# Altium PCB 2 Layers.PcbDoc (part 1 of 2) (continued)
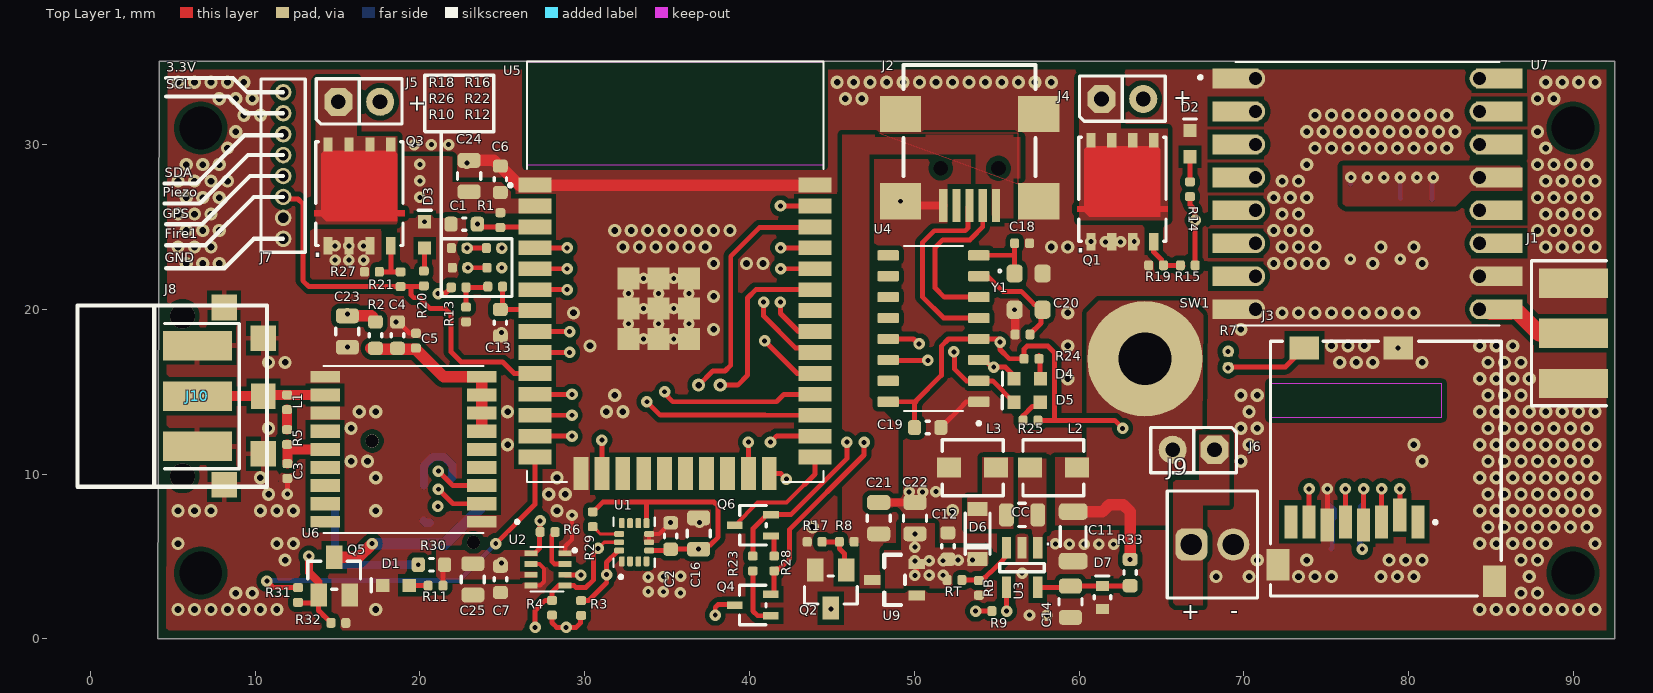
[diagram p0: Top Layer 1 view]
## Part data (continued)
R2: library part RES1130, Manufacturer 1=Panasonic, Manufacturer Part Number 1=ERJ-3EKF2201V, Operating Temperature="-55C to +155C", Package=0603, Power=1/10W, Supplier Part Number 1=P2.20KHCT-ND, Temperature Coefficient=100ppm/C, Tolerance=1%, Voltage=75V, Category=Resistor, ComponentLink1Description="SVN Datasheet", ComponentLink1URL=https://chn-vm-apps.microchip.com/mchprepo/parts/Datasheets/AOA0000CE2.pdf, ComponentLink2Description="Local Datasheet", ComponentLink2URL=C:\ALTIUM_WORK\00001_MCHP-CDB\Datasheets\AOA0000CE2.pdf, ComponentLink3Description="Open Symbol", ComponentLink3URL=C:\ALTIUM_WORK\00001_MCHP-CDB\Library\LibraryRefs\Resistor.SchLib, ComponentLink4Description="Open Footprint", ComponentLink4URL=C:\ALTIUM_WORK\00001_MCHP-CDB\Library\Footprints\RES_C_0603.PcbLib, ComponentLink5Description="Open Footprint 2", ComponentLink6Description="Open Footprint 3", ComponentLink7Description="Open Footprint 4", Composition=TKF, Description_="RES TKF 2.2k 1% 1/10W SMD 0603", Dev Tools Status=Production, MCHP-ID=RES1130, Owner="Bogdan P (M91398)", Populated=Yes, Quantity Override=1, Revision=0, Status="MCL Design", Supplier 1=Digi-Key, Symbol=Resistor, Type="RES SMD"
R3 R4 R11 R14 R20 R24 R25: library part RES1020, Manufacturer 1="Vishay Dale", Manufacturer Part Number 1=CRCW04022K20JNED, Operating Temperature="-55C to +155C", Package=0402, Power=1/16W, Supplier Part Number 1=541-2.2KJCT-ND, Temperature Coefficient=200ppm/C, Tolerance=5%, Voltage=50V, Category=Resistor, ComponentLink1Description="SVN Datasheet", ComponentLink1URL=https://chn-vm-apps.microchip.com/mchprepo/parts/Datasheets/dcrcwe3.pdf, ComponentLink2Description="Local Datasheet", ComponentLink2URL=C:\ALTIUM_WORK\00001_MCHP-CDB\Datasheets\dcrcwe3.pdf, ComponentLink3Description="Open Symbol", ComponentLink3URL=C:\ALTIUM_WORK\00001_MCHP-CDB\Library\LibraryRefs\Resistor.SchLib, ComponentLink4Description="Open Footprint", ComponentLink4URL=C:\ALTIUM_WORK\00001_MCHP-CDB\Library\Footprints\RES_C_0402.PcbLib, ComponentLink5Description="Open Footprint 2", ComponentLink6Description="Open Footprint 3", ComponentLink7Description="Open Footprint 4", Composition=TKF, Description_="RES TKF 2.2k 5% 1/16W SMD 0402", Dev Tools Status=Production, MCHP-ID=RES1020, Owner="Tad Ahlvers", Populated=YES, Quantity Override=1, Revision=1, Status="MCL Design", Supplier 1=Digi-Key, Symbol=Resistor, Type="RES SMD"
R5: library part RES1305, Manufacturer 1=ROHM, Manufacturer Part Number 1=MCR01MRTF10R0, Operating Temperature="-55C to +155C", Package=0402, Power=1/16W, Supplier Part Number 1=RHM10.0CDTR-ND, Temperature Coefficient=100ppm/C, Tolerance=1%, Voltage=50V, Category=Resistor, ComponentLink1Description="SVN Datasheet", ComponentLink1URL=https://chn-vm-apps.microchip.com/mchprepo/parts/Datasheets/mcr_g.pdf, ComponentLink2Description="Local Datasheet", ComponentLink2URL=C:\ALTIUM_WORK\00001_MCHP-CDB\Datasheets\mcr_g.pdf, ComponentLink3Description="Open Symbol", ComponentLink3URL=C:\ALTIUM_WORK\00001_MCHP-CDB\Library\LibraryRefs\Resistor.SchLib, ComponentLink4Description="Open Footprint", ComponentLink4URL=C:\ALTIUM_WORK\00001_MCHP-CDB\Library\Footprints\RES_C_0402.PcbLib, ComponentLink5Description="Open Footprint 2", ComponentLink6Description="Open Footprint 3", ComponentLink7Description="Open Footprint 4", Composition=TKF, Description_="RES TKF 10R 1% 1/16W SMD 0402", Dev Tools Status=Production, MCHP-ID=RES1305, Owner="Tad Ahlvers", Populated=YES, Quantity Override=1, Revision=1, Status="MCL Design", Supplier 1=Digi-Key, Symbol=Resistor, Type="RES SMD"
R8 R15 R21 R31: library part RES1436, Manufacturer 1="Panasonic Electronic Components", Manufacturer Part Number 1=ERJ-2RKF1000X, Operating Temperature="-55°C ~ 155°C", Package=0402, Power=1/10W, Supplier Part Number 1=P100LCT-ND, Temperature Coefficient=±100ppm/°C, Tolerance=1%, Category=Resistor, ComponentLink1Description="SVN Datasheet", ComponentLink1URL="https://chn-vm-apps.microchip.com/mchprepo/parts/Datasheets/AOA0000CE2 (1).pdf", ComponentLink2Description="Local Datasheet", ComponentLink2URL="C:\ALTIUM_WORK\00001_MCHP-CDB\Datasheets\AOA0000CE2 (1).pdf", ComponentLink3Description="Open Symbol", ComponentLink3URL=C:\ALTIUM_WORK\00001_MCHP-CDB\Library\LibraryRefs\Resistor.SchLib, ComponentLink4Description="Open Footprint", ComponentLink4URL=C:\ALTIUM_WORK\00001_MCHP-CDB\Library\Footprints\RES_C_0402.PcbLib, ComponentLink5Description="Open Footprint 2", ComponentLink6Description="Open Footprint 3", ComponentLink7Description="Open Footprint 4", Composition=TKF, Description_="RES TKF 100R 1% 1/10W SMD 0402", Dev Tools Status=Production, MCHP-ID=RES1436, Populated=YES, Quantity Override=1, Revision=1, Status="MCL Design", Supplier 1=Digi-Key, Symbol=Resistor, Type="RES SMD"
R9 R17: library part RSMT1272, Manufacturer 1=Yageo, Manufacturer Part Number 1=RC0402JR-0733KL, Operating Temperature="-55C to +155C", Package=0402, Power=1/16W, Supplier Part Number 1=311-33KJRCT-ND, Temperature Coefficient=±100ppm/°C, Tolerance=5%, Category=Resistor, ComponentLink1Description="SVN Datasheet", ComponentLink1URL=https://chn-vm-apps.microchip.com/mchprepo/parts/Datasheets/PYu-RC_Group_51_RoHS_L_10.pdf, ComponentLink2Description="Local Datasheet", ComponentLink2URL=C:\ALTIUM_WORK\00001_MCHP-CDB\Datasheets\PYu-RC_Group_51_RoHS_L_10.pdf, ComponentLink3Description="Open Symbol", ComponentLink3URL=C:\ALTIUM_WORK\00001_MCHP-CDB\Library\LibraryRefs\Resistor.SchLib, ComponentLink4Description="Open Footprint", ComponentLink4URL=C:\ALTIUM_WORK\00001_MCHP-CDB\Library\Footprints\RES_C_0402.PcbLib, ComponentLink5Description="Open Footprint 2", ComponentLink6Description="Open Footprint 3", ComponentLink7Description="Open Footprint 4", Composition=TKF, Description_="RES TKF 33k 5% 1/16W SMD 0402", Dev Tools Status=Production, MCHP-ID=RSMT1272, Owner="Jose Luis Caceres", Populated=YES, Quantity Override=1, Revision=1, Status="MCL Design", Supplier 1=Digi-Key, Symbol=Resistor, Type="RES SMD"
R12: library part RES1022, Manufacturer 1=Panasonic, Manufacturer 2=Hottech, Manufacturer Part Number 1=ERJ-2RKF1001X, Manufacturer Part Number 2=RI0402L1001FT, Operating Temperature="-55C to +155C", Package=0402, Power=1/10W, Supplier Part Number 1=P1.00KLTR-ND, Temperature Coefficient=100ppm/C, Tolerance=1%, Voltage=50V, Category=Resistor, ComponentLink1Description="SVN Datasheet", ComponentLink1URL=https://chn-vm-apps.microchip.com/mchprepo/parts/Datasheets/AOA0000CE2.pdf, ComponentLink2Description="Local Datasheet", ComponentLink2URL=C:\ALTIUM_WORK\00001_MCHP-CDB\Datasheets\AOA0000CE2.pdf, ComponentLink3Description="Open Symbol", ComponentLink3URL=C:\ALTIUM_WORK\00001_MCHP-CDB\Library\LibraryRefs\Resistor.SchLib, ComponentLink4Description="Open Footprint", ComponentLink4URL=C:\ALTIUM_WORK\00001_MCHP-CDB\Library\Footprints\RES_C_0402.PcbLib, ComponentLink5Description="Open Footprint 2", ComponentLink6Description="Open Footprint 3", ComponentLink7Description="Open Footprint 4", Composition=TKF, Description_="RES TKF 1k 1% 1/10W SMD 0402", Dev Tools Status=Production, MCHP-ID=RES1022, Owner="Tad Ahlvers", Populated=YES, Quantity Override=1, Revision=2, Status="MCL Design", Supplier 1=Digi-Key, Supplier 2=Hottech, Supplier Part Number 2=RI0402L1001FT, Symbol=Resistor, Type="RES SMD"
R13: library part RES1007, Manufacturer 1="Panasonic - ECG", Manufacturer Part Number 1=ERJ-2GEJ332X, Operating Temperature="-55C to +155C", Package=0402, Power=1/10W, Supplier Part Number 1=P3.3KJCT-ND, Temperature Coefficient=200ppm/C, Tolerance=5%, Voltage=50V, Category=Resistor, ComponentLink1Description="SVN Datasheet", ComponentLink1URL=https://chn-vm-apps.microchip.com/mchprepo/parts/Datasheets/AOA0000CE1.pdf, ComponentLink2Description="Local Datasheet", ComponentLink2URL=C:\ALTIUM_WORK\00001_MCHP-CDB\Datasheets\AOA0000CE1.pdf, ComponentLink3Description="Open Symbol", ComponentLink3URL=C:\ALTIUM_WORK\00001_MCHP-CDB\Library\LibraryRefs\Resistor.SchLib, ComponentLink4Description="Open Footprint", ComponentLink4URL=C:\ALTIUM_WORK\00001_MCHP-CDB\Library\Footprints\RES_C_0402.PcbLib, ComponentLink5Description="Open Footprint 2", ComponentLink6Description="Open Footprint 3", ComponentLink7Description="Open Footprint 4", Composition=TKF, Description_="RES TKF 3.3k 5% 1/10W SMD 0402", Dev Tools Status=Production, MCHP-ID=RES1007, Owner="Tad Ahlvers", Populated=YES, Quantity Override=1, Revision=0, Status="MCL Design", Supplier 1=Digi-Key, Symbol=Resistor, Type="RES SMD"
R16 R22: library part RES1011, Manufacturer 1=Panasonic, Manufacturer Part Number 1=ERJ-2RKF1003X, Operating Temperature="-55C to +125C", Package=0402, Power=1/10W, Supplier Part Number 1=P100KLCT-ND, Temperature Coefficient=100ppm/C, Tolerance=1%, Voltage=50V, Category=Resistor, ComponentLink1Description="SVN Datasheet", ComponentLink1URL=https://chn-vm-apps.microchip.com/mchprepo/parts/Datasheets/AOA0000CE2.pdf, ComponentLink2Description="Local Datasheet", ComponentLink2URL=C:\ALTIUM_WORK\00001_MCHP-CDB\Datasheets\AOA0000CE2.pdf, ComponentLink3Description="Open Symbol", ComponentLink3URL=C:\ALTIUM_WORK\00001_MCHP-CDB\Library\LibraryRefs\Resistor.SchLib, ComponentLink4Description="Open Footprint", ComponentLink4URL=C:\ALTIUM_WORK\00001_MCHP-CDB\Library\Footprints\RES_C_0402.PcbLib, ComponentLink5Description="Open Footprint 2", ComponentLink6Description="Open Footprint 3", ComponentLink7Description="Open Footprint 4", Composition=TKF, Description_="RES TKF 100k 1% 1/10W SMD 0402", Dev Tools Status=Production, MCHP-ID=RES1011, Owner="Tad Ahlvers", Populated=YES, Quantity Override=1, Revision=1, Status="MCL Design", Supplier 1=Digi-Key, Symbol=Resistor, Type="RES SMD"
R18 R26: library part RES2100, Manufacturer 1=Vishay, Manufacturer 2="Stackpole Electronics Inc.", Manufacturer Part Number 1=CRCW040262K0FKED, Manufacturer Part Number 2=RMCF0402FT62K0, Operating Temperature="-55C to +155C", Package=0402, Power=1/16W, Supplier Part Number 1=2140916, Temperature Coefficient=100ppm/C, Tolerance=1%, Category=Resistor, ComponentLink1Description="SVN Datasheet", ComponentLink1URL=https://chn-vm-apps.microchip.com/mchprepo/parts/Datasheets/SEI-RMCF_RMCP.pdf, ComponentLink2Description="Local Datasheet", ComponentLink2URL=C:\ALTIUM_WORK\00001_MCHP-CDB\Datasheets\SEI-RMCF_RMCP.pdf, ComponentLink3Description="Open Symbol", ComponentLink3URL=C:\ALTIUM_WORK\00001_MCHP-CDB\Library\LibraryRefs\Resistor.SchLib, ComponentLink4Description="Open Footprint", ComponentLink4URL=C:\ALTIUM_WORK\00001_MCHP-CDB\Library\Footprints\RES_C_0402.PcbLib, ComponentLink5Description="Open Footprint 2", ComponentLink6Description="Open Footprint 3", ComponentLink7Description="Open Footprint 4", Composition=TKF, Description_="RES TF 62k 1% 1/16W SMD 0402 AEC-Q200", Dev Tools Status=Production, MCHP-ID=RES2100, Owner="Cristian Papuc", Populated=YES, Quantity Override=1, Revision=1, Status="MCL Design", Supplier 1=Farnell, Supplier 2=Digi-Key, Supplier Part Number 2=RMCF0402FT62K0CT-ND, Symbol=Resistor, Type="RES SMD"
R19 R27: library part RES2130, Manufacturer 1="Panasonic - ECG", Manufacturer Part Number 1=ERJ-2RKF3301X, Operating Temperature="-55C to +155C", Package=0402, Power=1/10W, Supplier Part Number 1=P3.30KLTR-ND, Temperature Coefficient=100ppm/C, Tolerance=1%, Voltage=50V, Category=Resistor, ComponentLink1Description="SVN Datasheet", ComponentLink1URL=https://chn-vm-apps.microchip.com/mchprepo/parts/Datasheets/AOA0000C304.pdf, ComponentLink2Description="Local Datasheet", ComponentLink2URL=C:\ALTIUM_WORK\00001_MCHP-CDB\Datasheets\AOA0000C304.pdf, ComponentLink3Description="Open Symbol", ComponentLink3URL=C:\ALTIUM_WORK\00001_MCHP-CDB\Library\LibraryRefs\Resistor.SchLib, ComponentLink4Description="Open Footprint", ComponentLink4URL=C:\ALTIUM_WORK\00001_MCHP-CDB\Library\Footprints\RES_C_0402.PcbLib, ComponentLink5Description="Open Footprint 2", ComponentLink6Description="Open Footprint 3", ComponentLink7Description="Open Footprint 4", Composition=TKF, Description_="RES TKF 3.3k 1% 1/10W SMD 0402", Dev Tools Status=Production, MCHP-ID=RES2130, Owner="Mike Ragsdale", Populated=YES, Quantity Override=1, Revision=1, Status="MCL Design", Supplier 1=Digi-Key, Symbol=Resistor, Type="RES SMD"
R30: library part RSMT1021, Current=1A, Manufacturer 1="Stackpole Electronics Inc", Manufacturer Part Number 1=RMCF0603FT10R0, Operating Temperature="-55C to +155C", Package=0603, Power=1/10W, Supplier Part Number 1=RMCF0603FT10R0CT-ND, Temperature Coefficient=100ppm/C, Tolerance=1%, Voltage=50V, Category=Resistor, ComponentLink1Description="SVN Datasheet", ComponentLink1URL=https://chn-vm-apps.microchip.com/mchprepo/parts/Datasheets/SEI-RMCF_RMCP.pdf, ComponentLink2Description="Local Datasheet", ComponentLink2URL=C:\ALTIUM_WORK\00001_MCHP-CDB\Datasheets\SEI-RMCF_RMCP.pdf, ComponentLink3Description="Open Symbol", ComponentLink3URL=C:\ALTIUM_WORK\00001_MCHP-CDB\Library\LibraryRefs\Resistor.SchLib, ComponentLink4Description="Open Footprint", ComponentLink4URL=C:\ALTIUM_WORK\00001_MCHP-CDB\Library\Footprints\RES_C_0603.PcbLib, ComponentLink5Description="Open Footprint 2", ComponentLink6Description="Open Footprint 3", ComponentLink7Description="Open Footprint 4", Composition=TKF, Description_="RES TKF 10R 1% 1/10W SMD 0603", Dev Tools Status=Production, MCHP-ID=RSMT1021, Owner="Aaron VanDuerm", Populated=Yes, Quantity Override=1, Revision=1, Status="MCL Design", Supplier 1=Digi-Key, Symbol=Resistor, Type="RES SMD"
R33: library part RES1268, Manufacturer 1=Panasonic, Manufacturer Part Number 1=ERJ-3EKF2210V, Operating Temperature="-55C to +155C", Package=0603, Power=1/10W, Supplier Part Number 1=P221HCT-ND, Temperature Coefficient=100ppm/C, Tolerance=1%, Voltage=75V, Category=Resistor, ComponentLink1Description="SVN Datasheet", ComponentLink1URL=https://chn-vm-apps.microchip.com/mchprepo/parts/Datasheets/AOA0000CE2.pdf, ComponentLink2Description="Local Datasheet", ComponentLink2URL=C:\ALTIUM_WORK\00001_MCHP-CDB\Datasheets\AOA0000CE2.pdf, ComponentLink3Description="Open Symbol", ComponentLink3URL=C:\ALTIUM_WORK\00001_MCHP-CDB\Library\LibraryRefs\Resistor.SchLib, ComponentLink4Description="Open Footprint", ComponentLink4URL=C:\ALTIUM_WORK\00001_MCHP-CDB\Library\Footprints\RES_C_0603.PcbLib, ComponentLink5Description="Open Footprint 2", ComponentLink6Description="Open Footprint 3", ComponentLink7Description="Open Footprint 4", Composition=TKF, Description_="RES TKF 221R 1% 1/10W SMD 0603", Dev Tools Status=Production, MCHP-ID=RES1268, Owner="Tad Ahlvers", Populated=YES, Quantity Override=1, Revision=0, Status="MCL Design", Supplier 1=Digi-Key, Symbol=Resistor, Type="RES SMD"
RB: library part RES2206, Manufacturer 1="Panasonic Electronic Components", Manufacturer Part Number 1=ERJ-2RKF1301X, Operating Temperature="-55C to +155C", Package=0402, Power=1/10W, Supplier Part Number 1=P1.30KLCT-ND, Tolerance=1%, Voltage=50V, Category=Resistor, ComponentLink1Description="SVN Datasheet", ComponentLink1URL=https://chn-vm-apps.microchip.com/mchprepo/parts/Datasheets/AOA0000C304.pdf, ComponentLink2Description="Local Datasheet", ComponentLink2URL=C:\ALTIUM_WORK\00001_MCHP-CDB\Datasheets\AOA0000C304.pdf, ComponentLink3Description="Open Symbol", ComponentLink3URL=C:\ALTIUM_WORK\00001_MCHP-CDB\Library\LibraryRefs\Resistor.SchLib, ComponentLink4Description="Open Footprint", ComponentLink4URL=C:\ALTIUM_WORK\00001_MCHP-CDB\Library\Footprints\RES_C_0402.PcbLib, ComponentLink5Description="Open Footprint 2", ComponentLink6Description="Open Footprint 3", ComponentLink7Description="Open Footprint 4", Composition=TKF, Description_="RES TKF 1.3k 1% 1/10W SMD 0402", Dev Tools Status=Design, MCHP-ID=RES2206, Owner="Iulian Margarit", Populated=YES, Quantity Override=1, Revision=1, Status="MCL Design", Supplier 1=Digi-Key, Symbol=Resistor, Type="RES SMD"
RT: library part RES1023, Manufacturer 1=Panasonic, Manufacturer Part Number 1=ERJ-2RKF2201X, Operating Temperature="-55C to +155C", Package=0402, Power=1/10W, Supplier Part Number 1=P2.20KLTR-ND, Temperature Coeffcient=100ppm/C, Tolerance=1%, Voltage=50V, Category=Resistor, ComponentLink1Description="SVN Datasheet", ComponentLink1URL=https://chn-vm-apps.microchip.com/mchprepo/parts/Datasheets/AOA0000CE2.pdf, ComponentLink2Description="Local Datasheet", ComponentLink2URL=C:\ALTIUM_WORK\00001_MCHP-CDB\Datasheets\AOA0000CE2.pdf, ComponentLink3Description="Open Symbol", ComponentLink3URL=C:\ALTIUM_WORK\00001_MCHP-CDB\Library\LibraryRefs\Resistor.SchLib, ComponentLink4Description="Open Footprint", ComponentLink4URL=C:\ALTIUM_WORK\00001_MCHP-CDB\Library\Footprints\RES_C_0402.PcbLib, ComponentLink5Description="Open Footprint 2", ComponentLink6Description="Open Footprint 3", ComponentLink7Description="Open Footprint 4", Composition=TKF, Description_="RES TKF 2.2k 1% 1/10W SMD 0402", Dev Tools Status=Production, MCHP-ID=RES1023, Owner="Tad Ahlvers", Populated=YES, Quantity Override=1, Revision=1, Status="MCL Design", Supplier 1=Digi-Key, Symbol=Resistor, Type="RES SMD"
U2: "Pressure Sensor 4.35PSI ~ 15.95PSI _30kPa ~ 110kPa_ Absolute 16b 8-SMD", Package="SMD-8 Bosch Sensortec", Digi-Key_Part_Number=828-1064-1-ND, Digi-Key_Purchase_URL=https://www.digikey.com/product-detail/en/bosch-sensortec/BMP280/828-1064-1-ND/6136315?utm_source=snapeda&utm_medium=aggregator&utm_campaign=symbol, MF=Bosch, MP=BMP280, SnapEDA_Link=https://www.snapeda.com/parts/BMP280/Bosch%20Sensortec/view-part/1186631/?ref=snap
U3: library part MIC6247, Manufacturer 1="Microchip Technology Inc", Manufacturer Part Number 1=MCP1663T-E/OT, Operating Temperature="-40C to +125C", Category=MCHP-Analog, ComponentLink1Description="SVN Datasheet", ComponentLink1URL=https://www.microchip.com/sitesearch/search/Product%20and%20Development%20Tools/MCP1663T-E/OT, ComponentLink2Description="Local Datasheet", ComponentLink3Description="Open Symbol", ComponentLink3URL="C:\ALTIUM_WORK\00001_MCHP-CDB\Library\LibraryRefs\MCP1663 SOT-23-5.SchLib", ComponentLink4Description="Open Footprint", ComponentLink4URL=C:\ALTIUM_WORK\00001_MCHP-CDB\Library\Footprints\SOT-23-5.PcbLib, ComponentLink5Description="Open Footprint 2", ComponentLink6Description="Open Footprint 3", ComponentLink7Description="Open Footprint 4", Description_="MCHP ANALOG SWITCHER Boost 32V MCP1663T-E/OT SOT-23-5", Dev Tools Status=Production, MCHP-ID=MIC6247, Owner="Bogdan Popescu", Populated=YES, Quantity Override=1, Revision=1, Status="MCL Design", Supplier 1="Microchip Technology Inc", Supplier Part Number 1=MCP1663T-E/OT, Symbol="MCP1663 SOT-23-5", Type=Switcher
U4: "USB Interface Integrated Circuit", Package=None, Availability="Not in stock", Check_prices=https://www.snapeda.com/parts/Ch340G/WCH/view-part/?ref=eda, MF=WCH, MP=Ch340G, Price=None, SnapEDA_Link=https://www.snapeda.com/parts/Ch340G/WCH/view-part/?ref=snap
U5: "Bluetooth, WiFi Transceiver Module 2.4GHz ~ 2.5GHz Surface Mount", Package="Module Espressif Systems", Digi-Key_Part_Number=1904-1010-1-ND, Digi-Key_Purchase_URL=https://www.digikey.com/product-detail/en/espressif-systems/ESP32-WROOM-32/1904-1010-1-ND/8544305?utm_source=snapeda&utm_medium=aggregator&utm_campaign=symbol, MF="Espressif Systems", MP=ESP32-WROOM-32, SnapEDA_Link=https://www.snapeda.com/parts/ESP32-WROOM-32/Espressif%20Systems/view-part/2753322/?ref=snap
U6: "u-blox M8 GNSS module, ROM, crystal", Package="SMD-18 u-blox", Availability=Unavailable, MF="U-Blox America", MP=MAX-M8C-0-10, Price=None, SnapEDA_Link=https://www.snapeda.com/parts/MAX-M8C-0-10/U-Blox%20America%20Inc./view-part/4176794/?ref=snap
U7: "802.15.4, General ISM < 1GHz LoRaâ„¢ Transceiver Module 433MHz Surface Mount", Package="SMD-16 RF Solutions", Availability=Unavailable, MF="RF Solutions", MP=RFM98W-433S2, Price=None, SnapEDA_Link=https://www.snapeda.com/parts/RFM98W-433S2/RF%20Solutions/view-part/583263/?ref=snap
U9: library part MIC6213, "LDO", Manufacturer 1=Microchip, Manufacturer Part Number 1=MCP1703AT-3302E/CB, PackageType=SOT-23A, Supplier Part Number 1=MCP1703AT-3302E/CBCT-ND, TempRange="-40C to +125C", Category=MCHP-Analog, ComponentLink1Description="SVN Datasheet", ComponentLink1URL=http://www.microchip.com/wwwproducts/MCP1703A, ComponentLink2Description="Local Datasheet", ComponentLink3Description="Open Symbol", ComponentLink3URL="C:\ALTIUM_WORK\00001_MCHP-CDB\Library\LibraryRefs\MCP170X SOT-23-3_SOT-23A-3.SchLib", ComponentLink4Description="Open Footprint", ComponentLink4URL=C:\ALTIUM_WORK\00001_MCHP-CDB\Library\Footprints\SOT-23A-3.PcbLib, ComponentLink5Description="Open Footprint 2", ComponentLink6Description="Open Footprint 3", ComponentLink7Description="Open Footprint 4", Description_="MCHP ANALOG LDO 3.3V MCP1703AT-5002E/CB SOT-23A-3", Dev Tools Status=Production, ForceMinOrderQtyMult=True, IntroductionDate=2012-03-15, LeadContent=Pb-FREE, LeadCount=3, MAPS Description="LOWIQ 250MA LDO, VIN 16V MAX, VOUT=3.3V", MCHP-ID=MIC6213, MinOrderQty=1, MPC=HBAF1YM7XA33, Owner="Tad Ahlvers", PackingMedia=T/R, Populated=YES, Quantity Override=1, Revision=1, Stage=REL, Status="MCL Design", Supplier 1=Digi-Key, Symbol="MCP170X SOT-23-3_SOT-23A-3", tblDeviceFamilyID=3495, Type=LDO
Y1: "12MHz Â±20ppm Crystal 18pF 120 Ohms 4-SMD, No Lead", Package="SMD-4 Abracon", Availability=Bad, Check_prices=https://www.snapeda.com/parts/ABM8-12.000MHZ-B2-T3/Abracon%20LLC/view-part/1219277/?ref=eda, MF=Abracon, MP=ABM8-12.000MHZ-B2-T3, Price=None, SnapEDA_Link=https://www.snapeda.com/parts/ABM8-12.000MHZ-B2-T3/Abracon%20LLC/view-part/1219277/?ref=snap

## Free pads (board coordinates)
  round 0 hole 2.6 unplated mask+0.2: 0(6.699,4) 0(6.699,31) 0(89.975,4) 0(89.975,31)
  round 0 hole 3.2 unplated: 8(64,17)

## Via types
v1: diameter 0.8, hole 0.4, Top Layer 1 to Bottom Layer 1, tented both sides, 334 vias
v2: diameter 0.7, hole 0.3, Top Layer 1 to Bottom Layer 1, tented both sides, 106 vias
v3: diameter 0.7, hole 0.3, Top Layer 1 to Bottom Layer 1, 23 vias
v4: diameter 1.5, hole 1.5, Top Layer 1 to Bottom Layer 1, tented both sides, 2 vias

## Nets (pads, with @x,y where several pads share a name; then routed paths per layer and width w, separated by ;. In a path a pad name is that pad's centre, name@x,y a point inside that pad or via, vN(x,y) a via of type N, cw(c..) or ccw(c..) an arc to the next point about the centre after c; other vN are vias at no path point)
3.3V: C2.2 C6.2 C7.2 C8.2 C9.1 C10.2 C12.2 C16.2 C19.2 C22.2 C23.2 C24.2 C25.2 C26.2 C27.2 D6.2 J3.4 J7.1 R1.1 R2.1 R3.2 R4.2 R6.2 R7.1 R11.2 R24.2 R25.2 R29.1 R30.2 RT.2 U1.5 U1.8 U2.6 U2.8 U4.4 U4.16 U5.2 U7.13 U7.13_1 U9.2 | length 88.2
  Top Layer 1 w0.3: R11.2@21.4,3.229 21.4,4.401 R30.2@21.5,4.501 ; U2.8@26.75,5.195 26.775,5.22 27,5.22 27.25,5.47 R6.2@27.25,6.489 ; R6.2@27.3,6.489 v2(27.3,7.16) ; R4.2@28.018,1.439 28.018,0.978 28.296,0.7 v2(28.877,0.7) 29.486,0.7 29.757,0.971 29.757,1.396 R3.2@29.782,1.421 ; R29.1@30.487,7.71 30.512,7.71 30.637,7.835 30.637,7.84 31.097,8.301 33.75,8.301 ; U1.8@33.75,7.025 33.75,8.301 ; U1.5@33.91,5.365 35.141,5.365 C2.2@35.219,5.444 v2(36.915,5.444) 37.169,5.698 37.626,5.698 38.1,6.172 38.1,8.048 37.847,8.301 33.75,8.301 ; U4.16@48.419,14.391 50.042,14.391 ; C19.2@50.016,12.827 50.016,14.289 50.118,14.391 50.042,14.391 ; v2@50.147,3.714 U9.2@50.147,4.534 ; R24.2@56.664,17 55.766,17 55.205,17.562 55.205,18.207 55.198,18.201 U4.4@53.919,18.201 52.08,18.201 51.642,17.762 51.642,15.99 50.042,14.391 ; R24.2@56.664,17.187 56.664,17.587 56.853,17.776 58.105,17.776 58.499,17.383 58.499,13.346 58.411,13.259 ; R25.2@57.506,13.259 58.411,13.259 ; v2(62.647,12.778) 62.166,13.259 58.411,13.259 ; J3.4@77.265,6.906 v2(77.265,9.102)
  Top Layer 1 w0.7: C23.2@15.595,19.603 17.047,19.603 R2.1@17.3,19.35
  Signal 1 w0.3: v2(53.543,4.783) 53.62,4.859 53.62,5.239 55.83,7.449 60.443,7.449 62.603,9.609 v2@62.603,12.766
  Signal 2 w0.3: v2(69.053,17.451) 69.055,17.453 70.518,17.453 71.968,18.902 ; 71.968,18.9 83.477,18.9
  Bottom Layer 1 w0.3: C9.1@76.465,27.592 76.465,27.974 v2(76.5,28.009) ; v2(77.188,5.453) 77.038,5.603 77.038,7.227 77.065,7.254 C8.2@77.065,7.302 77.065,8.002 77.265,8.202 v2(77.265,9.102) ; v3@79.494,27.767 79.494,26.731 C27.2@79.513,26.713 ; C10.2@81.418,26.663 v3@81.418,27.767
  other v2: 50.042,3.854 50.897,3.864 51.756,3.864 24.95,4.613 50.043,4.732 50.898,4.742 51.757,4.742 52.664,4.784 50.043,5.575 50.043,6.375 55.205,18.01 15.595,19.726 20,26.793 20,27.8 20,28.8
  other v3: 77.5,28 78.5,28 79.494,28 80.5,28 81.5,28
ADC_VBAT: C13.2 R12.2 U5.7 | length 3.6
  Top Layer 1 w0.3: R12.2@25.018,21.378 25.018,20.125 C13.2@24.88,19.987 26.922,19.987 U5.7@26.987,19.923
BZ: J7.4 R31.2 U5.14 | length 51
  Top Layer 1 w0.3: v3(10.717,3.512) 11.116,3.113 R31.2@12.6,3.113 ; v3@24.495,5.676 v3(24.6,5.782) 26.987,8.169 U5.14@26.987,11.033
  Signal 2 w0.3: v3(10.717,3.512) 9.139,5.091 9.139,27.152 11.213,29.226 11.566,29.226 J7.4@11.7,29.36
  Bottom Layer 1 w0.3: v3(10.717,3.512) 10.738,3.533 22.351,3.533 v3(24.6,5.782)
D+: J2.3 U4.5 | length 11.8
  Top Layer 1 w0.3: J2.3@53.356,26.308 53.272,26.224 53.272,24.945 53.096,24.769 51.216,24.769 50.492,24.045 50.492,20.758 51.779,19.471 U4.5@53.919,19.471
D-: J2.2 U4.6 | length 10
  Top Layer 1 w0.3: U4.6@53.919,20.741 51.825,20.741 51.263,21.303 51.263,23.743 51.739,24.219 53.372,24.219 53.51,24.357 54.156,25.003 J2.2@54.156,26.308
DIO0: U5.24 U7.14 U7.14_1 | length 56.1
  Top Layer 1 w0.3: U5.24@41.202,10.032 41.902,10.032 v2(42.235,9.7)
  Signal 1 w0.3: v2(42.235,9.7) 42.282,9.7 43.1,10.518 47.937,10.518 53.166,15.746 55.135,15.746 56.705,17.316 56.705,18.552 59.162,21.009 81.71,21.009 83.15,22.449 83.15,28.795 84.3,29.945 U7.14_1@84.3,30.009
DIO1: U5.8 U7.15 U7.15_1 | length 67.4
  Top Layer 1 w0.3: U5.8@26.987,18.653 v2(29.083,18.653)
  Signal 1 w0.3: v2(29.083,18.653) 30.053,18.653 30.5,19.1 30.5,25.259 32.341,27.1 46.875,27.1 50.575,30.8 67.1,30.8 69.309,33.009 83.38,33.009 84.3,32.089 U7.15_1@84.3,32.009 ; U7.15_1@84.424,32.317 U7.15_1@84.448,32.317
DIO5: U5.23 U7.7 U7.7_1 | length 37.5
  Top Layer 1 w0.3: U5.23@39.932,10.032 v2(39.932,11.938)
  Signal 1 w0.3: v2(39.932,11.938) 40.755,11.115 47.052,11.115 47.11,11.174 47.262,11.174 55.313,19.225 56.402,19.225 56.841,19.664 ; 56.841,19.664 59.186,22.009 U7.7_1@70.7,22.009
DTR: Q6.2 R23.1 U4.13 | length 19.9
  Top Layer 1 w0.3: R23.1@40.21,5.025 40.21,6.694 41.06,7.544 Q6.2@41.31,7.544 42.514,7.544 45.905,10.935 v2(45.905,11.938) ; U4.13@48.419,18.201 49.957,18.201 50.258,17.9 v2(50.292,17.9)
  Signal 1 w0.3: v2(45.905,11.938) 45.982,12.015 45.982,13.606 v2@50.275,17.9
EN: C1.2 Q4.3 R1.2 U5.3 | length 45.2
  Top Layer 1 w0.3: v2(23.484,25.169) 23.651,25.003 U5.3@26.987,25.003 ; v2(37.923,1.446) 37.923,1.91 38.1,2.086 39.067,2.086 Q4.3@39.1,2.054 Q4.3@39.301,2.054
  Signal 1 w0.3: v2(23.484,25.169) 22.669,25.169 21.874,24.374 21.874,3.526 23.908,1.492 v2@37.923,1.492
FIRE1: J7.6 R20.2 R21.2 U5.10 | length 24.7
  Top Layer 1 w0.3: J7.6@11.7,26.82 11.82,26.7 12.6,26.7 12.9,26.4 12.9,21.744 13.266,21.378 R21.2@18.828,21.378 19.457,21.378 ; R20.2@20.087,21.378 19.457,21.378 ; U5.10@26.987,16.113 25.706,16.113 25.018,16.8 22.5,16.8 21.884,17.416 21.884,19.7 21.542,20.042 20.637,20.042 19.978,20.702 19.633,20.702 19.457,20.877 19.457,21.378
FIRE2: R14.2 R15.2 U5.26 | length 38.5
  Top Layer 1 w0.3: v2(41.275,11.938) 41.661,12.324 43.966,12.324 U5.26@43.987,12.303 ; R14.2@66.734,26.839 66.734,26.339 67.05,26.023 v2(67.05,25.4) R15.2@67.05,22.672
  Signal 1 w0.3: v2(41.275,11.938) 54.737,25.4 v2(67.05,25.4)
GND: C1.1 C2.1 C3.1 C4.1 C5.1 C6.1 C7.1 C8.1 C9.2 C10.1 C11.1 C12.1 C13.1 C14.1 C16.1 C18.1 C19.1 C20.1 C21.1 C22.1 C23.1 C24.1 C25.1 C26.1 C27.1 D1.2 D2.2 D3.2 D7.1 J1.2 J2.0 J2.5 J3.6 J3.10 J3.11 J3.12 J7.7 J7.8 J8.1 J8.2 J8.4 J8.5 J9.2 J10.2 L3.1 Q1.1 Q1.2 Q1.3 Q2.2 Q3.1 Q3.2 Q3.3 Q5.2 R13.1 R17.1 R18.1 R19.1 R26.1 R27.1 R32.1 RB.1 U1.1 U1.6 U1.7 U2.1 U2.5 U2.7 U3.2 U4.1 U5.1 U5.15 U5.38 U5.39_1 U5.39_2 U5.39_3 U5.39_4 U5.39_5 U5.39_6 U5.39_7 U5.39_8 U5.39_9 U5.39_10 U5.39_11 U5.39_12 U5.39_13 U5.39_14 U5.39_15 U5.39_16 U5.39_17 U5.39_18 U5.39_19 U5.39_20 U5.39_21 U6.1 U6.10 U6.12 U7.1 U7.1_1 U7.8 U7.8_1 U7.10 U7.10_1 U9.1 Y1.2 Y1.4 | length 51.6
  Top Layer 1 w0.25: U2.5@26.75,3.245 27.3,3.245 27.525,3.47 27.525,4.27 27.25,4.545 U2.7@26.75,4.545 ; U2.1@28.818,5.266 28.818,5.624 29.234,6.039 29.234,7.502 v2(29.23,7.505) ; U1.6@33.91,5.865 U1.7@33.91,6.365 34.525,6.365 v2(35.219,7.06)
  Top Layer 1 w0.3: v2(11.954,8.781) C3.1@11.954,9.733 ; v2(18.549,19.237) C4.1@18.639,19.237 18.689,19.237 19.345,18.581 19.345,18.55 C5.1@19.756,18.55 ; C19.1@51.616,12.827 52.975,14.186 52.975,14.215 53.151,14.391 U4.1@53.919,14.391 ; J3.6@75.065,6.906 v2(75.065,9.102) ; v2(79.361,17.643) J3.10@79.375,17.656 ; J1.2@89.975,21.149 J1.2@90.175,20.949
  Top Layer 1 w0.5: C21.1@47.843,8.275 C22.1@50.043,8.275 ; J2.0@49.406,26.308 J2.5@51.756,26.308 ; v2(56.091,19.975) 56.124,19.942 C20.1@56.124,18.476
  Top Layer 1 w0.7: C24.1@22.984,29.04 24.48,29.04 24.83,28.69 C6.1@24.88,28.69 26.027,27.543 U5.1@26.987,27.543 U5.38@43.987,27.543 ; v2(49.156,26.558) J2.0@49.406,26.308
  Bottom Layer 1 w0.3: v2(75.065,9.102) 75.065,8.273 75.465,7.873 C8.1@75.465,7.302 ; C26.1@75.288,5.453 75.365,5.53 75.365,7.227 C8.1@75.465,7.327
  Bottom Layer 1 w0.5: 20.219,7.172 20.341,7.05 20.618,7.05 ; 20.25,9.309 20.25,9.316 20.25,10.511 20.772,11.033 21.476,11.033 21.974,10.535 21.974,9.831 21.866,9.723
  other v1: 5.32,1.782 6.32,1.782 7.32,1.782 8.32,1.782 9.32,1.782 10.32,1.782 11.32,1.782 17.32,1.782 84.32,1.782 85.32,1.782 86.32,1.782 87.32,1.782 88.32,1.782 89.32,1.782 90.32,1.782 91.32,1.782 8.82,2.782 9.82,2.782 86.82,2.782 87.82,2.782 68.32,3.782 70.32,3.782 73.32,3.782 74.32,3.782 75.32,3.782 78.32,3.782 79.32,3.782 80.32,3.782 87.32,3.782 11.82,4.782 70.82,4.782 73.82,4.782 78.82,4.782 79.82,4.782 80.82,4.782 86.82,4.782 87.82,4.782 5.32,5.782 11.32,5.782 12.32,5.782 84.32,5.782 85.32,5.782 86.32,5.782 87.32,5.782 88.32,5.782 91.32,5.782 43.82,6.782 84.82,6.782 85.82,6.782 86.82,6.782 87.82,6.782 88.82,6.782 89.82,6.782 90.82,6.782 5.32,7.782 6.32,7.782 7.32,7.782 10.32,7.782 11.32,7.782 12.32,7.782 17.32,7.782 28.32,7.782 52.32,7.782 84.32,7.782 85.32,7.782 86.32,7.782 87.32,7.782 88.32,7.782 89.32,7.782 90.32,7.782 91.32,7.782 10.82,8.782 27.82,8.782 28.82,8.782 84.82,8.782 85.82,8.782 86.82,8.782 87.82,8.782 88.82,8.782 89.82,8.782 90.82,8.782 10.32,9.782 17.32,9.782 28.32,9.782 84.32,9.782 85.32,9.782 86.32,9.782 87.32,9.782 88.32,9.782 89.32,9.782 90.32,9.782 91.32,9.782 15.82,10.782 16.82,10.782 69.82,10.782 80.82,10.782 84.82,10.782 85.82,10.782 86.82,10.782 87.82,10.782 88.82,10.782 89.82,10.782 90.82,10.782 25.32,11.782 70.32,11.782 80.32,11.782 84.32,11.782 85.32,11.782 86.32,11.782 87.32,11.782 88.32,11.782 89.32,11.782 90.32,11.782 91.32,11.782 10.82,12.782 15.82,12.782 69.82,12.782 70.82,12.782 84.82,12.782 85.82,12.782 86.82,12.782 87.82,12.782 88.82,12.782 89.82,12.782 90.82,12.782 16.32,13.782 17.32,13.782 25.32,13.782 31.32,13.782 32.32,13.782 70.32,13.782 84.32,13.782 85.32,13.782 86.32,13.782 87.32,13.782 88.32,13.782 89.32,13.782 90.32,13.782 91.32,13.782 31.82,14.782 69.82,14.782 70.82,14.782 84.82,14.782 85.82,14.782 86.82,14.782 59.32,15.782 84.32,15.782 85.32,15.782 86.32,15.782 87.32,15.782 10.82,16.782 11.82,16.782 75.82,16.782 76.82,16.782 77.82,16.782 80.82,16.782 84.82,16.782 85.82,16.782 86.82,16.782 30.32,17.782 59.32,17.782 75.32,17.782 76.32,17.782 77.32,17.782 84.32,17.782 85.32,17.782 86.32,17.782 37.82,18.782 69.82,18.782 29.32,19.782 59.32,19.782 72.32,19.782 73.32,19.782 74.32,19.782 75.32,19.782 76.32,19.782 77.32,19.782 78.32,19.782 79.32,19.782 80.32,19.782 37.82,20.782 5.82,22.782 6.82,22.782 7.82,22.782 37.82,22.782 39.82,22.782 40.82,22.782 71.82,22.782 72.82,22.782 73.82,22.782 74.82,22.782 77.82,22.782 80.82,22.782 5.32,23.782 6.32,23.782 7.32,23.782 32.32,23.782 33.32,23.782 34.32,23.782 35.32,23.782 36.32,23.782 37.32,23.782 58.32,23.782 59.32,23.782 72.32,23.782 73.32,23.782 74.32,23.782 78.32,23.782 80.32,23.782 88.32,23.782 89.32,23.782 90.32,23.782 91.32,23.782 5.82,24.782 6.82,24.782 7.82,24.782 31.82,24.782 32.82,24.782 33.82,24.782 34.82,24.782 35.82,24.782 36.82,24.782 37.82,24.782 38.82,24.782 71.82,24.782 72.82,24.782 73.82,24.782 87.82,24.782 88.82,24.782 89.82,24.782 90.82,24.782 5.32,25.782 6.32,25.782 7.32,25.782 72.32,25.782 73.32,25.782 88.32,25.782 89.32,25.782 90.32,25.782 91.32,25.782 5.82,26.782 6.82,26.782 7.82,26.782 71.82,26.782 72.82,26.782 73.82,26.782 87.82,26.782 88.82,26.782 89.82,26.782 90.82,26.782 5.32,27.782 6.32,27.782 7.32,27.782 8.32,27.782 72.32,27.782 73.32,27.782 88.32,27.782 89.32,27.782 90.32,27.782 91.32,27.782 5.82,28.782 6.82,28.782 7.82,28.782 73.82,28.782 87.82,28.782 88.82,28.782 89.82,28.782 90.82,28.782 8.32,29.782 74.32,29.782 75.32,29.782 76.32,29.782 77.32,29.782 78.32,29.782 79.32,29.782 80.32,29.782 81.32,29.782 82.32,29.782 88.32,29.782 8.82,30.782 73.82,30.782 74.82,30.782 75.82,30.782 76.82,30.782 77.82,30.782 78.82,30.782 79.82,30.782 80.82,30.782 81.82,30.782 82.82,30.782 87.82,30.782 9.32,31.782 10.32,31.782 74.32,31.782 75.32,31.782 76.32,31.782 77.32,31.782 78.32,31.782 79.32,31.782 80.32,31.782 81.32,31.782 82.32,31.782 7.82,32.782 8.82,32.782 9.82,32.782 45.82,32.782 46.82,32.782 87.82,32.782 88.82,32.782 5.32,33.782 6.32,33.782 7.32,33.782 8.32,33.782 9.32,33.782 45.32,33.782 46.32,33.782 47.32,33.782 48.32,33.782 49.32,33.782 50.32,33.782 51.32,33.782 52.32,33.782 53.32,33.782 54.32,33.782 55.32,33.782 56.32,33.782 57.32,33.782 58.32,33.782 88.32,33.782 89.32,33.782 90.32,33.782 91.32,33.782
  other v2: 35.807,2.792 33.855,2.865 34.774,2.862 33.855,3.748 34.774,3.782 35.82,3.809 36.967,7.074 15.595,17.702 24.95,18.581 14.855,22.983 15.694,22.983 16.579,22.983 76.465,23.042 79.494,23.042 14.855,23.845 15.694,23.845 16.565,23.845 61.6,24.098 62.524,24.098 60.722,24.111 63.35,24.111 20.287,25.316
  other v3: 56.993,1.446 58.043,1.446 56.543,3.988 58.568,5.764 59.415,5.753 60.31,5.753 61.201,5.753 62.1,5.743 49.687,8.925 50.501,8.925 51.318,8.936 22.852,28.869 19.662,29.996 20.7,29.996 21.745,29.996